# Altium PCB PROC114E3_BRD.PcbDoc (part 8 of 18) (continued)
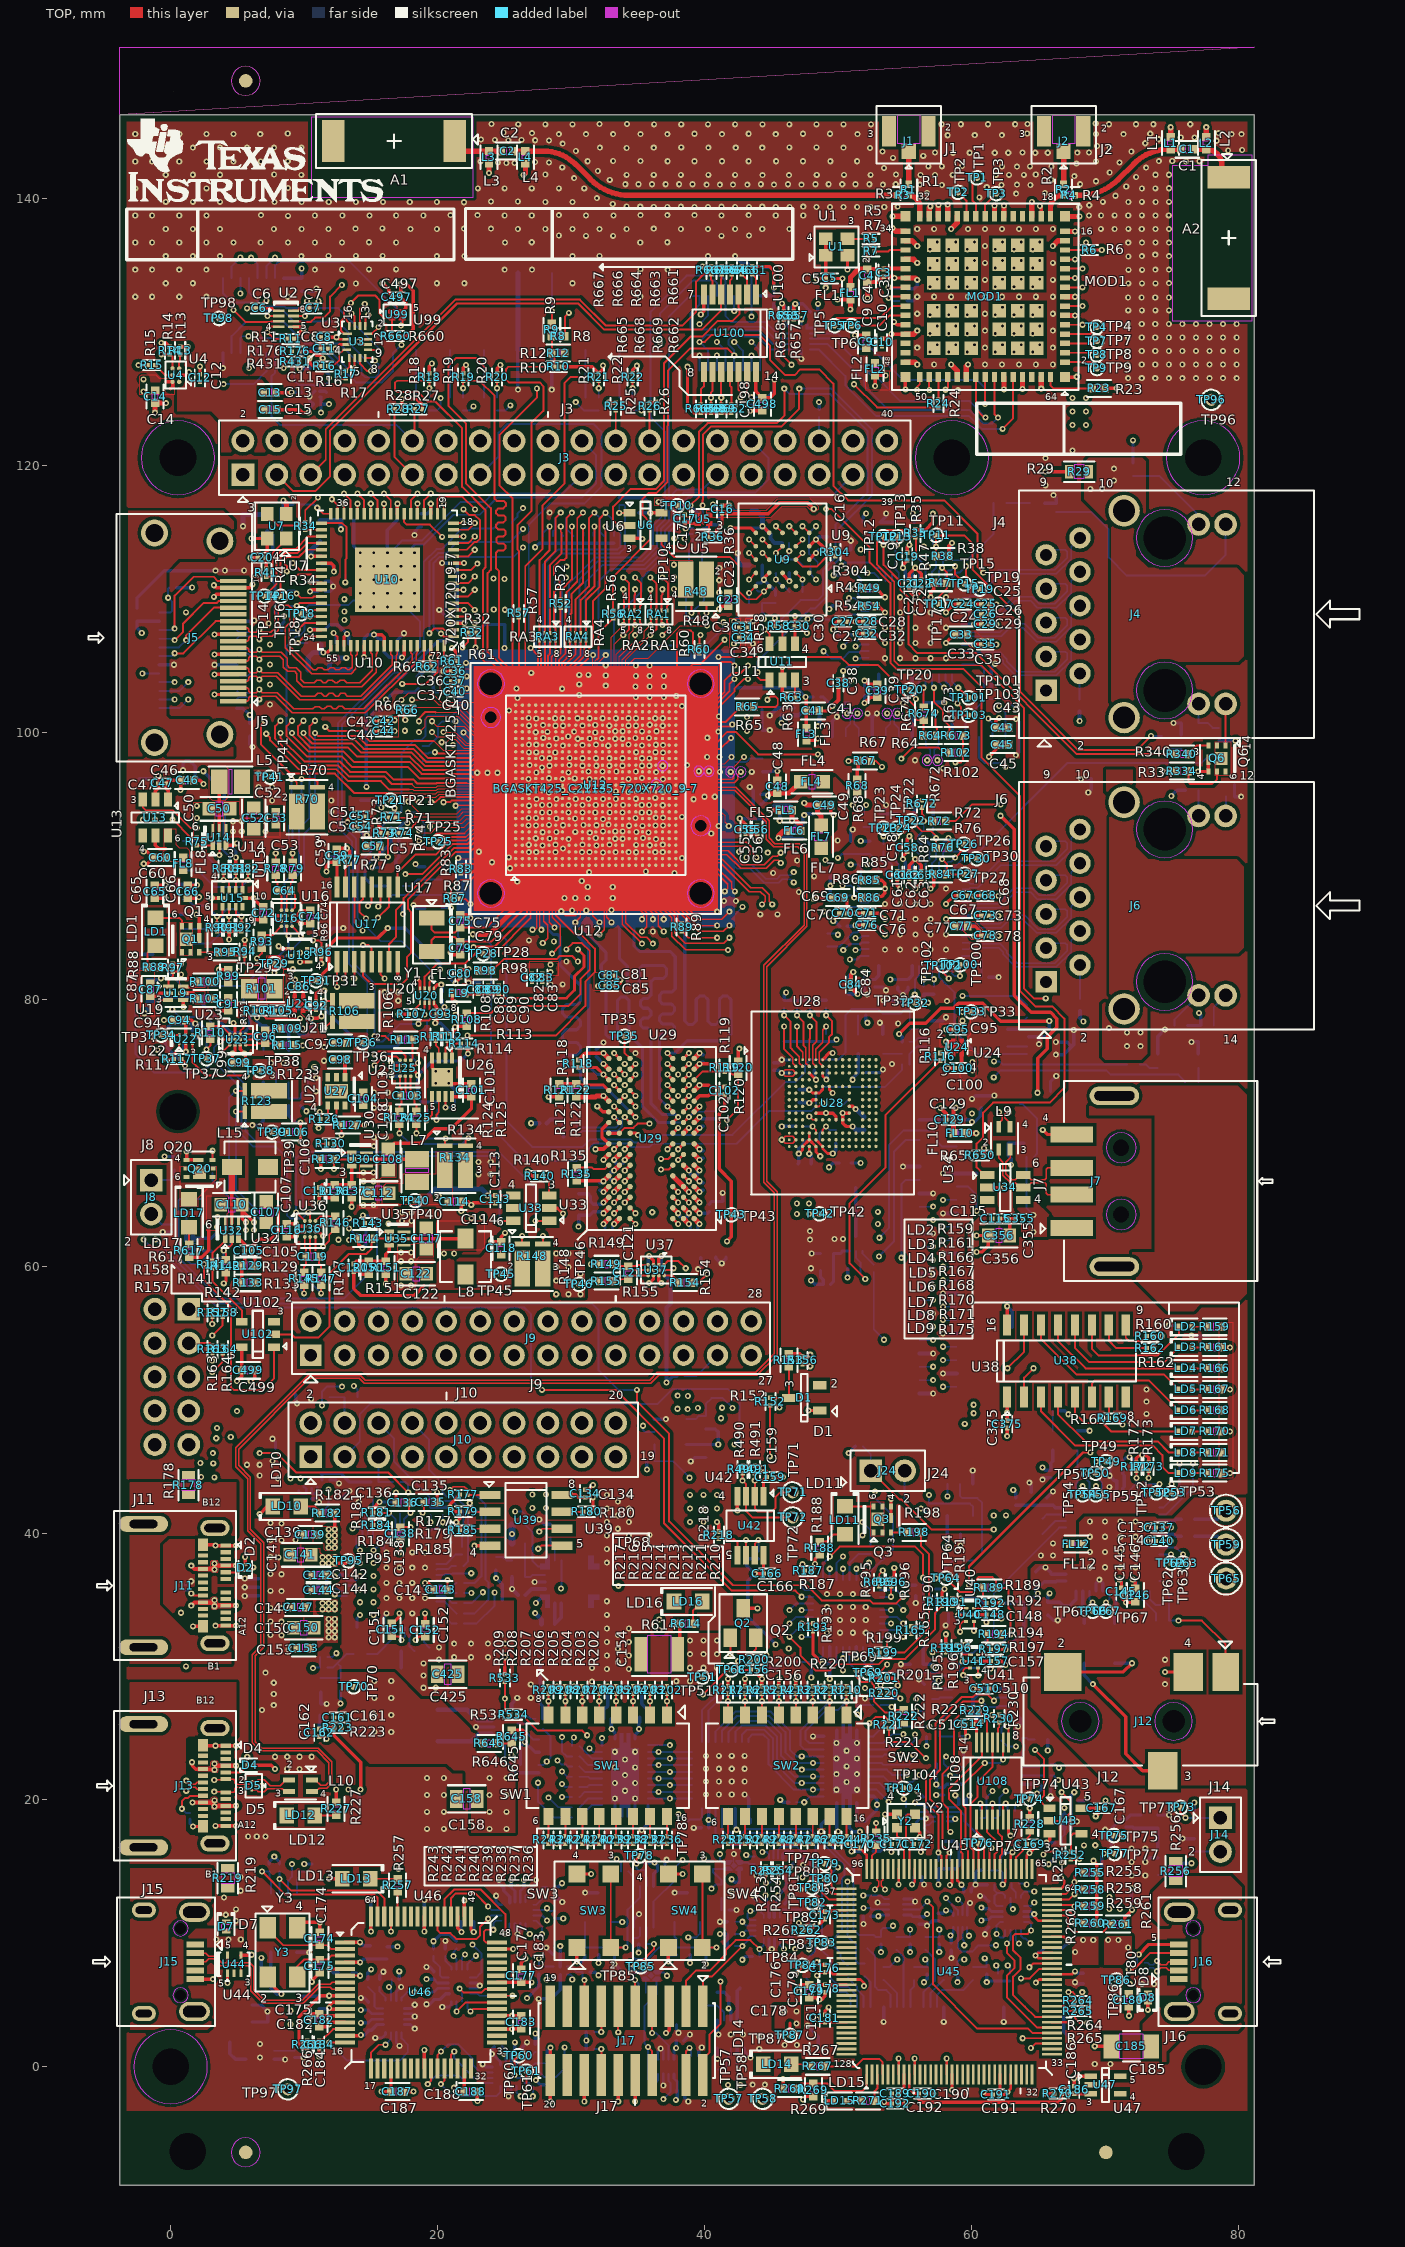
[diagram p0: TOP view]
## Nets (pads, with @x,y where several pads share a name; then routed paths per layer and width w, separated by ;. In a path a pad name is that pad's centre, name@x,y a point inside that pad or via, vN(x,y) a via of type N, cw(c..) or ccw(c..) an arc to the next point about the centre after c; other vN are vias at no path point) (continued)
  TOP w0.147: v1(47.36,37.668) 47.36,37.301 47.502,37.159
  L03_SIG1 w0.091: v1(47.36,37.668) 47.634,37.668 50.309,40.344 52.166,40.344 52.742,40.919 58.75,40.919 65.927,48.096 65.927,73.337 63.674,75.589 63.674,95.165 61.859,96.98 61.859,99.13 62.713,99.984 62.713,112.559 58.17,117.102 55.889,117.102 53.677,119.314
  BOTTOM w0.147: v1(47.36,37.668) 47.36,35.869 47.507,35.722 48.142,35.722
EXP_I2C2_SCL:  | length 42.1
  TOP w0.147: 10.497,119.314 11.622,120.439 11.622,122.725 21.337,132.44 30.675,132.44 32.626,130.49 38.348,130.49 39.325,131.467 39.325,131.489 39.38,131.544 39.38,133.789 39.947,134.357 40.526,134.357 40.506,134.337 40.506,133.925 40.61,133.821 40.61,132.821
EXP_I2C2_SDA:  | length 45.8
  TOP w0.147: 7.957,119.314 9.19,118.081 10.842,118.081 11.927,119.166 11.927,122.613 21.459,132.146 30.553,132.146 32.503,130.195 39.803,130.195 41.26,131.653 41.26,132.821 41.26,133.976 41.288,134.004 41.288,134.357
EXP_PS_3V3_EN:  | length 176.5
  TOP w0.147: v1(59.831,36.078) 59.831,37.492 68.373,46.035 v1(68.924,46.035)
  L08_SIG2 w0.091: v1(17.297,129.047) 33.432,129.047 37.291,132.907 48.977,132.907 50.551,131.333 51.323,131.333 55.7,126.956 60.485,126.956 64.325,123.115 64.325,102.686 64.544,102.467 64.544,75.461 66.867,73.138 66.867,49.947 67.893,48.92 67.893,47.066 v1(68.924,46.035) ; v1(46.376,34.221) 46.829,34.675 48.354,34.675 48.565,34.886 52.936,34.886 53.698,35.648 57.151,35.648 57.847,36.344 59.565,36.344 v1(59.831,36.078)
  BOTTOM w0.147: 10.786,125.971 10.712,126.044 9.799,126.044 9.593,126.044 9.262,126.376 9.262,127.836 9.922,128.496 11.605,128.496 13.35,126.751 13.381,126.751 13.894,126.238 15.831,126.238 16.656,127.063 16.656,128.407 v1(17.297,129.047) ; v1(46.376,34.221) 46.876,34.722 48.142,34.722
EXP_PS_5V0_EN:  | length 155.2
  TOP w0.147: v1(-0.697,128.337) -0.057,128.337 0.14,128.14 0.14,127.278 ; v1(27.827,50.734) 33.339,50.734 36.971,47.102 36.971,40.752 42.036,35.687 46.825,35.687 v1(47.291,35.221)
  L08_SIG2 w0.091: v1(-2.018,61.986) -2.846,62.814 -2.846,79.247 -2.028,80.065 -2.028,89.135 -2.668,89.775 -2.668,94.375 1.128,98.171 4.791,98.171 5.179,98.559 5.179,100.485 4.435,101.229 0.116,101.229 -0.704,102.049 -0.704,108.715 0.37,109.789 1.079,109.789 2.956,111.666 5.777,111.666 6.435,112.324 6.435,115.672 3.775,118.331 3.775,123.339 -0.697,127.811 v1(-0.697,128.337)
  BOTTOM w0.147: v1(-2.018,61.986) -1.143,61.111 -0.696,61.111 3.518,56.897 26.517,56.897 26.989,56.425 26.989,51.572 v1(27.827,50.734) ; v1(47.291,35.221) 48.142,35.221
EXP_SPI0_CLK:  | length 71
  TOP w0.081: 22.468,96.403 24.815,96.403
  TOP w0.114: 24.815,96.403 24.957,96.545 25.861,96.545
  TOP w0.147: v1(9.089,100.874) 8.686,100.47 8.686,99.718 10.204,98.199 12.806,98.199 13.586,97.419 17.765,97.419 18.651,96.533 22.338,96.533 22.468,96.403
  L03_SIG1 w0.091: v1(9.089,100.874) 9.089,105.108 10.932,106.951 10.932,115.121 8.823,117.231 8.823,118.01 9.052,118.239 9.052,122.601 9.848,123.397 31.426,123.397 32.277,122.546 32.277,120.394 33.357,119.314
EXP_SPI0_CS0:  | length 76.5
  TOP w0.081: 18.081,96.118 18.297,95.903 19.915,95.903 19.981,95.969 20.009,95.997 25.812,95.997
  TOP w0.114: 25.812,95.997 25.861,96.045
  TOP w0.147: v1(8.226,100.874) 7.822,100.47 7.822,99.538 9.824,97.536 12.531,97.536 13.359,96.708 15.999,96.708 16.589,96.118 18.081,96.118 ; 33.357,121.854 33.357,124.153
  L03_SIG1 w0.091: v1(8.226,100.874) 8.226,104.731 10.065,106.571 10.065,112.202 10.137,112.274 10.137,114.029 6.898,117.269 6.898,123.434 7.27,123.806 9.65,123.806 10.823,124.979 14.645,124.979 15.953,123.671 31.54,123.671 33.357,121.854
EXP_SPI0_CS1:  | length 80.4
  TOP w0.081: 22.188,96.2 25.041,96.2 ; 25.668,96.294 26.463,96.294 26.712,96.045 26.86,96.045
  TOP w0.114: 25.041,96.2 25.135,96.294 25.668,96.294
  TOP w0.147: v1(8.226,99.959) 8.226,99.617 10.012,97.831 12.654,97.831 13.446,97.038 16.125,97.038 16.686,96.477 18.186,96.477 18.499,96.164 19.9,96.164 19.936,96.2 22.188,96.2 ; 35.897,121.854 35.897,124.153
  L03_SIG1 w0.091: v1(8.226,99.959) 7.812,100.373 7.812,101.119 8.033,101.34 8.033,107.161 9.852,108.98 9.852,112.311 9.941,112.4 9.941,113.871 6.705,117.107 6.705,123.554 7.657,124.506 9.195,124.506 10.246,125.557 14.467,125.557 16.16,123.864 33.887,123.864 35.897,121.854
EXP_SPI0_D0:  | length 64
  TOP w0.081: 17.875,95.738 18.138,95.738 18.202,95.674 19.917,95.674 20.038,95.795 26.11,95.795 26.36,96.045
  TOP w0.147: v1(7.167,99.901) 7.452,99.615 7.452,99.4 9.611,97.241 12.409,97.241 13.306,96.344 15.753,96.344 16.36,95.738 17.875,95.738
  L03_SIG1 w0.091: v1(7.167,99.901) 7.857,99.21 9.926,99.21 10.441,99.724 10.441,105.52 11.612,106.691 11.612,115.404 10.373,116.643 10.373,117.585 11.687,118.9 11.687,119.886 12.266,120.465 27.126,120.465 28.277,119.314
EXP_SPI0_D1:  | length 56.1
  TOP w0.081: 22.696,96.606 24.668,96.606 ; 25.668,96.794 26.111,96.794 26.36,96.545
  TOP w0.114: 24.668,96.606 24.855,96.794 25.668,96.794
  TOP w0.147: v1(9.089,99.959) 9.089,99.835 10.357,98.567 12.959,98.567 13.726,97.8 17.905,97.8 18.804,96.901 22.402,96.901 22.696,96.606
  BOTTOM w0.147: v1(9.089,99.959) 8.686,100.363 8.686,106.483 9.388,107.186 9.603,107.186 10.04,107.622 10.04,109.199 10.394,109.552 13.345,109.552 13.693,109.9 16.408,109.9 16.778,110.27 16.778,113.82 17.338,114.38 18.823,114.38 21.704,117.26 23.495,117.26 24.159,117.924 29.427,117.924 30.817,119.314
EXP_SPI2_CLK:  | length 58
  L08_SIG2 w0.091: v1(5.871,127.301) 5.255,127.917 5.255,130.444 6.415,131.604 7.553,131.604 9.389,129.768 10.262,129.768 10.613,130.119 13.873,130.119 14.602,129.391 15.725,129.391 17.095,128.021 38.657,128.021 40.276,126.402 44.235,126.402 45.618,125.019 47.981,125.019 48.235,125.273 50.258,125.273 53.677,121.854
  BOTTOM w0.147: v1(5.871,127.301) 5.871,128.444
EXP_SPI2_CS0/EHRPWM0_A:  | length 18.6
  TOP w0.147: 18.117,121.854 18.276,122.013 18.276,124.216
  BOTTOM w0.147: 7.821,128.444 7.821,126.971 7.557,126.707 7.557,123.68 8.2,123.037 16.933,123.037 17.098,122.873 18.117,121.854
EXP_SPI2_CS1:  | length 33.1
  TOP w0.081: v1(21.942,100) 22.574,99.367 25.037,99.367 25.464,99.795 26.11,99.795 26.36,99.545
  TOP w0.147: 16.774,124.214 16.774,120.657 18.117,119.314
  L08_SIG2 w0.091: 18.117,119.314 18.117,117.56 16.885,116.328 16.885,108.918 18.178,107.624 18.178,107.255 19.015,106.418 19.88,106.418 21.829,104.469 21.829,101.508 22.191,101.146 22.191,100.25 v1(21.942,100)
EXP_SPI2_CS2:  | length 95.2
  TOP w0.081: 19.706,99.375 20.414,98.667 25.485,98.667 25.613,98.794 26.111,98.794 26.36,98.545
  TOP w0.147: v1(11.584,100.418) 11.904,100.098 14.175,100.098 14.898,99.375 19.706,99.375
  L03_SIG1 w0.091: v1(11.584,100.418) 11.318,100.152 11.318,99.894 10.384,98.959 7.213,98.959 6.764,99.408 6.764,100.253 6.857,100.346 7.446,100.346 7.595,100.495 7.595,101.253 7.84,101.497 7.84,109.741 8.982,110.883 9.402,110.883 9.659,111.14 9.659,112.391 9.733,112.465 9.733,113.773 6.512,116.994 6.512,123.634 7.577,124.699 9.03,124.699 10.081,125.75 14.71,125.75 16.403,124.057 34.373,124.057 35.278,123.153 47.298,123.153 48.597,121.854
  BOTTOM w0.147: 48.597,121.854 48.597,123.645
EXP_SPI2_D0:  | length 60.7
  L08_SIG2 w0.091: v1(5.221,132.902) 6.215,131.908 7.831,131.908 9.125,130.614 13.816,130.614 14.627,129.804 15.712,129.804 17.221,128.295 38.771,128.295 40.39,126.676 44.367,126.676 45.669,125.374 47.828,125.374 48.031,125.578 50.621,125.578 53.285,122.913 54.146,122.913 54.829,122.229 54.829,121.269 54.281,120.72 52.271,120.72 51.137,121.854
  BOTTOM w0.147: v1(5.221,132.902) 5.221,134.044
EXP_SPI2_D1/ECAP2_IN_APWM_OUT:  | length 65.7
  L08_SIG2 w0.091: v1(7.821,135.587) 7.418,135.183 7.418,132.662 9.256,130.824 15.84,130.824 16.866,129.798 16.866,128.946 17.309,128.503 38.852,128.503 40.486,126.869 46.918,126.869 47.904,125.882 50.656,125.882 53.367,123.171 54.175,123.171 55.104,122.242 55.104,121.219 54.293,120.408 49.691,120.408 48.597,119.314
  BOTTOM w0.147: 7.171,134.044 7.171,134.937 v1(7.821,135.587)
EXP_UART5_RXD:  | length 34.8
  TOP w0.102: v1(26.817,96.502) 26.817,96.507 26.86,96.55 26.86,97.045
  L08_SIG2 w0.091: 15.577,121.854 14.119,120.396 14.119,118.807 13.619,118.307 13.619,116.425 15.869,114.176 15.869,108.257 17.269,106.857 18.029,106.857 18.867,106.019 19.747,106.019 21.463,104.303 21.463,101.322 21.734,101.052 21.734,100.631 21.393,100.29 21.393,99.631 22.721,98.303 24.453,98.303 26.254,96.502 v1(26.817,96.502)
EXP_UART5_TXD:  | length 36.7
  TOP w0.102: v1(27.83,97.379) 27.86,97.348 27.86,97.045
  L08_SIG2 w0.091: 13.037,121.854 11.978,120.795 11.978,118.875 12.579,118.274 12.579,116.701 14.853,114.427 14.853,108.263 16.657,106.459 17.792,106.459 20.378,103.872 20.831,103.872 20.999,103.704 20.999,100.678 21.208,100.469 21.208,99.547 22.722,98.034 24.419,98.034 26.306,96.146 26.979,96.146 27.378,96.545 27.55,96.545 27.83,96.825 v1(27.83,97.379)
EXT_CLKOUT0:  | length 68.1
  BOTTOM w0.147: 18.876,97.873 20.818,97.873 22.159,96.531 22.159,88.906 21.528,88.275 21.528,84.719 21.833,84.414 23.687,84.414 23.992,84.11 23.992,70.444 26.557,67.879 30.392,67.879 31.698,69.185 34.268,69.185 34.507,68.946 35.904,68.946 36.133,69.174 42.407,69.174 44.877,71.645 48.043,71.645 48.362,71.963 48.362,72.818 48.985,73.442 53.548,73.442 54.822,74.716 54.822,75.097
EXT_CLKOUT0_R:  | length 7.1
  TOP w0.081: 22.427,98.471 25.786,98.471 25.861,98.545
  TOP w0.147: v1(19.796,98.511) 19.976,98.511 20.055,98.432 22.389,98.432 22.427,98.471
  BOTTOM w0.147: 18.876,98.432 19.313,98.432 19.392,98.511 v1(19.796,98.511)
FT4232_DO:  | length 2.7
  BOTTOM w0.147: 9.454,12.973 9.454,14.022 9.653,14.221 9.646,14.229 9.646,14.637 10.561,14.637
FT4232_EECLK:  | length 11.5
  TOP w0.147: v1(8.154,14.077) 9.016,13.215 15.409,13.215 16.009,12.615 16.009,11.273
  BOTTOM w0.147: 8.154,12.973 v1(8.154,14.077) 8.154,14.637
FT4232_EECS:  | length 13.1
  TOP w0.147: v1(6.846,14.637) 8.585,12.898 15.269,12.898 15.509,12.658 15.509,11.273
  BOTTOM w0.147: v1(6.846,14.637) 7.392,14.637 7.392,14.092 7.504,13.98 7.504,12.973
FT4232_EEDATA:  | length 15.5
  TOP w0.147: v1(16.509,10.142) 16.509,11.273
  L08_SIG2 w0.091: v1(9.086,15.183) 9.476,15.573 14.753,15.573 16.6,13.726 16.6,10.233 v1(16.509,10.142)
  BOTTOM w0.147: 8.804,12.973 8.804,13.944 9.086,14.226 9.086,14.637 v1(9.086,15.183)
FT4232_MCU_UART0_CTS_3V3:  | length 9.3
  TOP w0.147: 20.509,11.273 20.509,12.54 21.253,13.284 23.24,13.284 25.084,11.44 v1(25.084,9.954)
  BOTTOM w0.147: v1(25.084,9.954) 25.398,10.268 25.398,10.741
FT4232_MCU_UART0_RTS_3V3:  | length 7.2
  TOP w0.147: 20.009,11.273 20.009,10.216 20.207,10.018 20.969,10.018 21.401,9.586 22.925,9.586 23.171,9.832 23.171,10.473 v1(23.793,11.095)
  BOTTOM w0.147: v1(23.793,11.095) 24.039,11.341 24.798,11.341
FT4232_MCU_UART0_RX_3V3:  | length 3.7
  TOP w0.147: v1(24.183,10.268) 23.607,10.268 23.466,10.127 23.466,9.47 23.613,9.323 24.459,9.323
  BOTTOM w0.147: v1(24.183,10.268) 24.183,10.768 24.356,10.941 24.798,10.941
FT4232_MCU_UART0_TX_3V3:  | length 5.8
  TOP w0.147: 21.009,11.273 21.009,12.623 21.375,12.99 22.814,12.99 v1(23.793,12.01)
  BOTTOM w0.147: v1(23.793,12.01) 24.062,11.741 24.798,11.741
FT4232_REF:  | length 1.9
  TOP w0.147: 13.059,6.823 v1(14.198,6.823)
  BOTTOM w0.147: 13.537,7.052 13.969,7.052 v1(14.198,6.823)
FT4232_RESET:  | length 3.2
  TOP w0.147: 10.25,1.941 11.139,1.941 11.292,1.941 12.174,2.823 13.059,2.823
FT4232_SOC_UART0_RX_3V3:  | length 9.6
  TOP w0.147: v1(11.878,1.823) 13.059,1.823
  BOTTOM w0.147: v1(11.878,1.823) 13.233,0.467 17.159,0.467 17.769,1.077 17.769,1.661 17.302,2.128 17.302,2.57
FT4232_SOC_UART0_TX_3V3:  | length 3.6
  TOP w0.147: 15.009,-0.127 15.009,1.061 15.597,1.648 v1(16.105,1.648)
  BOTTOM w0.147: v1(16.105,1.648) 16.502,2.046 16.502,2.57
FT4232_SOC_UART1_CTS_3V3:  | length 6.7
  TOP w0.147: v1(20.251,-1.301) 20.509,-1.043 20.509,-0.127
  BOTTOM w0.147: v1(20.251,-1.301) 21.127,-2.177 24.434,-2.177 24.712,-1.898 24.712,-1.425
FT4232_SOC_UART1_RTS_3V3:  | length 5.3
  TOP w0.147: 21.009,-0.127 21.009,0.903 v1(21.251,1.145)
  BOTTOM w0.147: v1(21.251,1.145) 21.251,0.655 22.731,-0.825 24.112,-0.825
FT4232_SOC_UART1_RX_3V3:  | length 6.6
  TOP w0.147: v1(19.267,-1.301) 19.509,-1.059 19.509,-0.127
  BOTTOM w0.147: v1(19.267,-1.301) 19.918,-0.65 21.597,-0.65 22.172,-1.225 24.112,-1.225
FT4232_SOC_UART1_TX_3V3:  | length 6.6
  TOP w0.147: 20.009,-0.127 20.009,0.887 v1(20.267,1.145)
  BOTTOM w0.147: v1(20.267,1.145) 20.796,1.674 21.553,1.674 22.671,0.556 22.671,0.112 23.208,-0.425 24.112,-0.425
FT4232_USB_DM:  | length 14.8
  TOP w0.107: 1.84,8.514 2.624,8.514 2.84,8.298 3.308,8.298 3.816,7.79 4.152,7.79 4.258,7.897 ; 4.258,8.371 4.258,7.897 ; 13.059,6.323 12.11,6.323 11.969,6.182 11.05,6.182 9.856,4.989 7.024,4.989 6.237,5.776 6.237,7.478 5.924,7.79 4.365,7.79 4.258,7.897
FT4232_USB_DP:  | length 14.8
  TOP w0.107: 1.84,7.864 2.625,7.864 2.84,8.08 3.217,8.08 3.725,7.572 5.151,7.572 5.258,7.465 ; 5.258,6.991 5.258,7.465 ; 13.059,5.823 12.11,5.823 11.969,5.963 11.14,5.963 9.947,4.77 6.934,4.77 6.019,5.685 6.019,7.387 5.833,7.572 5.365,7.572 5.258,7.465
FT4232_USB_VBUS:  | length 3
  TOP w0.254: v1(4.258,6.28) 4.258,6.991
  BOTTOM w0.254: 4.434,1.839 4.434,0.975 4.86,0.549 5.648,0.549
  other v1: 3.423,9.53 4.338,9.53 5.252,9.53
FT4232_WKUP_UART0_CTS_3V3:  | length 4.4
  TOP w0.147: 24.459,5.323 v1(25.617,5.323)
  BOTTOM w0.147: 22.43,5.481 22.991,5.481 23.149,5.323 v1(25.617,5.323)
FT4232_WKUP_UART0_RTS_3V3:  | length 4.1
  TOP w0.147: v1(21.655,5.852) 21.934,5.573 23.306,5.573 23.556,5.823 24.459,5.823
  BOTTOM w0.147: v1(21.655,5.852) 21.83,5.677 21.83,4.881
FT4232_WKUP_UART0_RX_3V3:  | length 2.9
  TOP w0.147: v1(22.468,4.15) 22.64,4.323 24.459,4.323
  BOTTOM w0.147: 22.23,4.881 22.23,4.388 v1(22.468,4.15)
FT4232_WKUP_UART0_TX_3V3:  | length 4
  TOP w0.147: v1(21.431,4.146) 22.108,4.823 24.459,4.823
  BOTTOM w0.147: 21.43,4.881 v1(21.431,4.146) v1(21.431,4.146)
FT_PWREN#:  | length 1.8
  TOP w0.147: 17.009,11.273 17.009,13.109
GPIO1_23_INTN:  | length 131.2
  TOP w0.081: v1(22.976,96.977) 23.386,97.387 25.065,97.387 25.157,97.295 26.11,97.295 26.36,97.045
  L03_SIG1 w0.091: v1(33.428,15.568) 33.694,15.834 36.312,15.834 37.059,15.088 38.582,15.088 39.624,16.129 39.624,26.994 40.362,27.732 40.362,28.22 v1(42.532,30.39) 41.732,30.39 41.478,30.644 41.478,31.191 41.25,31.42 40.691,31.42 40.437,31.674 40.437,32.588 36.588,36.437 36.588,49.498 37.383,50.292 v1(37.999,50.292)
  L08_SIG2 w0.091: v1(22.976,96.977) 22.276,96.277 22.276,87.96 21.94,87.625 21.94,77.668 21.694,77.422 21.694,75.971 22.363,75.302 22.363,70.411 21.921,69.969 21.921,67.69 22.188,67.424 24.341,67.424 26.144,65.62 29.876,65.62 31.983,63.513 31.983,63.09 34.936,60.137 36.699,60.137 38.086,58.75 44.488,58.75 46.103,57.135 46.103,51.843 44.425,50.165 42.027,50.165 41.732,49.87 41.732,49.2 41.533,49.001 40.833,49.001 40.675,48.843 37.847,48.843 37.559,49.13 37.559,49.853 v1(37.999,50.292)
  BOTTOM w0.147: v1(33.428,15.568) 33.742,15.253 33.742,14.639 ; v1(42.532,30.39) 42.936,30.39 43.428,29.898 45.522,29.898 45.964,30.339
GPIO_AUD_RSTN:  | length 14
  TOP w0.147: v1(49.392,38.237) 50.129,38.974 55.792,38.974 56.397,38.369 v1(56.397,36.647)
  BOTTOM w0.147: 48.891,36.471 48.891,37.737 v1(49.392,38.237) ; 56.397,33.939 56.397,35.316 56.397,36.078 v1(56.397,36.647)
GPIO_CPSW1_RST:  | length 19.4
  TOP w0.147: v1(46.376,32.221) 47.191,31.407 47.191,30.842 48.32,29.713 49.424,29.713 49.877,30.166 53.062,30.166 53.467,30.571 55.066,30.571 57.298,32.803 57.298,34.023 57.809,34.535 57.809,34.547 58.571,34.547 58.874,34.547 59.059,34.362 59.617,34.362
  BOTTOM w0.147: v1(46.376,32.221) 46.876,32.722 48.142,32.722
GPIO_CPSW2_RST:  | length 15.6
  TOP w0.147: v1(57.107,31.068) 58.138,31.068 58.9,31.068 59.203,31.068 59.388,30.882 59.946,30.882
  L08_SIG2 w0.091: v1(47.291,32.221) 48.135,33.066 52.628,33.066 53.187,33.625 55.27,33.625 55.509,33.386 55.509,32.665 v1(57.107,31.068)
  BOTTOM w0.147: v1(47.291,32.221) 48.142,32.221
GPIO_EMMC_RSTN:  | length 18.6
  L08_SIG2 w0.091: v1(38.887,44.145) 39.289,43.743 41.829,43.743 47.133,38.44 48.274,38.44 v1(49.392,37.322)
  BOTTOM w0.147: 36.251,46.637 36.251,45.38 37.652,45.38 v1(38.887,44.145) ; 49.392,36.471 v1(49.392,37.322)
GPIO_HDMI_RSTN:  | length 83.7
  L03_SIG1 w0.091: v1(20.484,60.945) 21.078,60.35 23.19,60.35 26.772,56.769 26.772,52.578 28.133,51.217 33.085,51.217 36.158,48.143 36.158,44.028 35.135,43.005 35.135,35.807 36.615,34.327 v1(36.615,33.513)
  L08_SIG2 w0.091: v1(10.758,74.94) 12.257,74.94 13.578,73.619 13.578,69.555 19.47,63.663 19.47,61.958 v1(20.484,60.945) ; v1(36.615,33.513) 37.86,34.757 44.413,34.757 45.585,35.929 51.067,35.929 52.07,36.932 52.07,37.389 51.841,37.617 v1(51.841,39.827)
  BOTTOM w0.147: 8.846,73.777 8.846,72.577 9.76,72.577 9.76,72.901 10.301,73.442 10.301,74.483 v1(10.758,74.94) ; 51.567,38.995 51.567,39.553 v1(51.841,39.827)
GPIO_OLDI_RSTN:  | length 52.1
  L03_SIG1 w0.091: v1(51.841,40.818) 52.768,41.745 54.953,41.745 55.524,42.316 57.781,42.316 v1(58.213,42.748)
  L08_SIG2 w0.091: v1(24.281,35.545) 26.049,37.313 27.635,37.313 28.57,38.247 33.802,38.247 35.262,39.707 35.262,43.211 39.072,47.021 47.606,47.021 51.841,42.787 v1(51.841,40.818)
  BOTTOM w0.147: 21.973,33.223 22.939,33.223 24.281,34.565 24.281,35.007 v1(24.281,35.545) ; v1(51.841,40.818) 52.456,40.203 52.456,38.995 ; v1(58.213,42.748) 58.213,43.693
GPIO_OSPI_RSTN:  | length 24.1
  TOP w0.102: v1(28.846,100.502) 28.86,100.487 28.86,100.045
  TOP w0.147: v1(33.62,116.459) 34.394,116.459
  BOTTOM w0.147: v1(28.846,100.502) 28.442,100.502 28.321,100.623 28.321,112.473 29.265,113.417 33.624,113.417 34.063,113.856 34.063,116.936 33.958,117.04 33.618,117.04 33.62,117.039 v1(33.62,116.459)
GPIO_SOC:  | length 1.3
  BOTTOM w0.147: 34.302,14.639 34.683,14.258 34.683,13.541
HDMI_AUDD1:  | length 6.4
  TOP w0.147: 8.244,110.195 8.244,113.137 8.548,113.441 9.48,113.441 10.228,114.19 11.295,114.19
HDMI_AUDD2:  | length 7.4
  TOP w0.147: 7.034,110.217 7.925,111.108 7.925,113.244 8.416,113.736 9.357,113.736 10.312,114.69 10.7,114.69 11.295,114.69
HDMI_AUDD3:  | length 6.8
  TOP w0.147: 11.295,115.69 12.858,115.69 13.187,115.361 13.187,113.056 13.086,112.955 v1(13.086,111.251)
  BOTTOM w0.147: v1(13.086,111.251) 13.086,111.855
HDMI_CEC:  | length 26.9
  TOP w0.147: v1(17.357,103.638) 19.136,103.638 19.995,104.497 19.995,106.49
  L08_SIG2 w0.091: v1(1.316,102.471) 1.568,102.22 5.605,102.22 6.168,101.656 7.648,101.656 8.911,102.919 16.591,102.919 16.683,102.827 16.683,102.476 17.092,102.067 17.59,102.067 17.681,102.159 17.681,103.314 v1(17.357,103.638)
  BOTTOM w0.147: -0.855,101.821 0.666,101.821 v1(1.316,102.471)
HDMI_CEC_D:  | length 1.6
  TOP w0.147: 9.768,108.9 10.058,109.19 11.295,109.19
HDMI_CLK+:  | length 19.1
  TOP w0.108: 4.69,106.847 5.742,106.847 5.85,106.955 5.85,107.094 5.958,107.202 6.421,107.202 v1(6.645,106.978) 6.868,107.202 7.627,107.202 8.076,107.651 8.076,109.11 8.21,109.244 8.709,109.244 8.919,109.034 8.919,108.204 8.599,107.884 8.599,106.36 10.565,104.394 13.517,104.394 13.889,104.767 13.889,105.763 13.995,105.868 13.995,106.49
  BOTTOM w0.108: 4.944,107.022 5.124,107.202 6.421,107.202 v1(6.645,106.978)
HDMI_CLK-:  | length 19.1
  TOP w0.108: 4.69,107.847 5.742,107.847 5.85,107.739 5.85,107.599 5.958,107.491 6.421,107.491 v1(6.645,107.715) 6.868,107.491 7.507,107.491 7.786,107.771 7.786,109.23 8.09,109.534 8.829,109.534 9.209,109.154 9.209,108.084 8.889,107.764 8.889,106.48 10.685,104.684 10.9,104.684 11.078,104.861 11.336,104.861 11.514,104.684 11.772,104.684 11.949,104.861 12.207,104.861 12.385,104.684 12.643,104.684 12.821,104.861 13.078,104.861 13.256,104.684 13.396,104.684 13.6,104.887 13.6,105.763 13.495,105.868 13.495,106.49
  BOTTOM w0.108: 4.944,107.672 5.125,107.491 6.421,107.491 v1(6.645,107.715)
HDMI_CONN_I2CSCL:  | length 7
  TOP w0.147: v1(1.164,106.915) 1.164,107.281 3.229,109.346 4.69,109.346
  BOTTOM w0.147: -0.855,106.372 0.621,106.372 v1(1.164,106.915)
HDMI_CONN_I2CSDA:  | length 7.2
  TOP w0.147: v1(0.3,106.915) 0.928,107.543 0.928,108.163 2.478,109.713 3.468,109.713 3.602,109.847 4.69,109.847
  BOTTOM w0.147: -0.855,107.022 0.194,107.022 v1(0.3,106.915)
HDMI_CONNCEC:  | length 6.6
  TOP w0.147: v1(0.3,105.933) 0.958,105.933 3.372,108.346 4.69,108.346
  BOTTOM w0.147: -0.855,105.722 0.089,105.722 v1(0.3,105.933)
HDMI_EARTH: 
HDMI_EXTSWING:  | length 1.9
  TOP w0.147: v1(12.218,107.452) 12.495,107.176 12.495,106.49
  BOTTOM w0.147: v1(12.218,107.452) 12.367,107.303 12.367,106.651
HDMI_HPD:  | length 18.5
  TOP w0.147: v1(9.529,106.69) 10.029,107.19 11.295,107.19
  L08_SIG2 w0.091: v1(0.3,103.771) -0.076,103.396 -0.076,102.316 0.144,102.096 0.456,102.096 0.747,102.387 0.747,102.707 1.149,103.109 2.575,103.109 3.057,103.591 6.832,103.591 7.202,103.221 7.638,103.221 9.529,105.112 v1(9.529,106.69)
  BOTTOM w0.147: -0.855,103.771 v1(0.3,103.771) ; v1(9.529,106.69) 10.243,106.69
HDMI_I2C_SCL:  | length 17
  TOP w0.147: v1(9.446,109.484) 9.652,109.69 11.295,109.69
  L08_SIG2 w0.091: v1(0.3,102.471) 0.3,102.847 0.79,103.337 2.514,103.337 3.106,103.929 4.748,103.929 5.921,105.102 6.801,105.102 9.153,107.455 9.153,108.815 9.446,109.108 v1(9.446,109.484)
  BOTTOM w0.147: -0.855,102.471 v1(0.3,102.471) ; 8.802,109.484 v1(9.446,109.484)
HDMI_I2C_SDA:  | length 18.3
  TOP w0.147: v1(9.427,110.413) 9.746,110.094 10.631,110.094 10.728,110.19 11.295,110.19
  L08_SIG2 w0.091: v1(1.316,103.771) 1.316,105.252 2.667,106.602 6.801,106.602 7.215,107.017 8.317,107.017 8.937,107.636 8.937,109.923 v1(9.427,110.413)
  BOTTOM w0.147: -0.855,103.121 0.666,103.121 v1(1.316,103.771) ; 8.802,110.627 9.28,110.627 9.427,110.48 v1(9.427,110.413)
HDMI_INTN:  | length 143
  TOP w0.147: v1(9.529,107.69) 10.029,108.19 11.295,108.19 ; v1(34.939,50.734) 34.939,49.87 37.352,47.457 37.352,40.879 42.145,36.086 47.657,36.086 48.792,34.95 52.399,34.95 52.617,34.732 54.395,34.732 54.885,35.221 v1(54.907,35.221)
  L08_SIG2 w0.091: v1(-1.154,61.986) -2.653,63.485 -2.653,79.167 -1.835,79.985 -1.835,89.345 1.413,92.593 1.413,96.581 2.416,97.585 5.024,97.585 5.758,98.319 5.758,100.743 4.639,101.863 1.255,101.863 0.94,102.178 0.94,102.627 1.16,102.847 1.77,102.847 2.204,102.413 5.685,102.413 6.135,101.962 6.672,101.962 10.061,105.351 10.061,107.158 v1(9.529,107.69)
  BOTTOM w0.147: v1(-1.154,61.986) 3.641,57.191 31.582,57.191 32.08,56.693 32.08,52.196 33.542,50.734 v1(34.939,50.734) ; 8.879,107.63 9.469,107.63 v1(9.529,107.69) ; 53.141,35.722 54.407,35.722 v1(54.907,35.221)
HDMI_MSTRCLK:  | length 1.2
  TOP w0.147: 10.087,115.19 11.295,115.19
HDMI_PCLK:  | length 29.5
  TOP w0.147: 18.995,116.39 18.995,117.407 v1(19.494,117.907) ; 39.628,106.486 39.628,107.22 v1(39.708,107.3)
  L03_SIG1 w0.091: v1(19.494,117.907) 20.846,117.907 21.085,117.667 25.353,117.667 25.921,117.099 25.921,113.572 29.527,109.965 37.464,109.965 39.708,107.721 v1(39.708,107.3)
HDMI_RSTN:  | length 59.6
  TOP w0.147: v1(10.444,108.69) 11.295,108.69
  L03_SIG1 w0.091: v1(0.116,79.233) 0.116,81.493 -0.766,82.374 -0.766,91.564 0.939,93.268 0.939,94.849 1.564,95.475 4.027,95.475 6.51,97.958 6.51,101.44 5.218,102.732 5.218,106.669 2.885,109.002 v1(1.143,109.002)
  L08_SIG2 w0.091: v1(1.143,109.002) 6.126,109.002 8.059,110.935 9.619,110.935 10.048,110.505 10.048,109.086 v1(10.444,108.69)
  BOTTOM w0.147: v1(0.116,79.233) 0.687,78.661 2.684,78.661 4.218,77.127 5.859,77.127 6.188,77.456 6.771,77.456 6.771,76.947 6.946,76.772 6.946,76.177
HDMI_TX0+:  | length 17.1
  TOP w0.108: 4.69,105.346 5.742,105.346 5.85,105.454 5.85,105.594 5.958,105.702 6.421,105.702 v1(6.645,105.478) 6.868,105.702 8.162,105.702 8.431,105.433 8.431,105.253 8.431,104.904 8.765,104.57 9.294,104.57 9.457,104.406 9.457,104.226 9.457,103.877 9.895,103.439 14.305,103.439 15.389,104.524 15.389,105.864 15.495,105.969 15.495,106.49
  BOTTOM w0.108: 4.944,105.722 5.124,105.902 5.828,105.902 6.028,105.702 6.421,105.702 v1(6.645,105.478)
HDMI_TX0-:  | length 17.1
  TOP w0.108: 4.69,106.346 5.742,106.346 5.85,106.239 5.85,106.099 5.958,105.991 6.421,105.991 v1(6.645,106.215) 6.868,105.991 8.282,105.991 8.721,105.553 8.72,105.253 8.72,105.024 8.885,104.859 9.414,104.859 9.747,104.526 9.747,104.226 9.747,103.997 10.015,103.729 10.756,103.729 10.95,103.923 11.252,103.923 11.446,103.729 11.627,103.729 11.821,103.923 12.123,103.923 12.317,103.729 12.498,103.729 12.692,103.923 12.994,103.923 13.189,103.729 14.185,103.729 15.1,104.644 15.1,105.864 14.995,105.969 14.995,106.49
  BOTTOM w0.108: 4.944,106.372 5.125,106.191 5.948,106.191 6.149,105.991 6.421,105.991 v1(6.645,106.215)
HDMI_TX1+:  | length 17.9
  TOP w0.108: 4.69,103.847 5.742,103.847 5.85,103.955 5.85,104.094 5.958,104.202 6.408,104.202 6.632,103.978 v1(6.645,103.978) 6.657,103.978 6.881,104.202 7.91,104.202 9.673,102.438 14.38,102.438 16.889,104.947 16.889,105.763 16.995,105.868 16.995,106.49
  BOTTOM w0.108: 4.944,103.771 5.124,103.952 5.915,103.952 6.165,104.202 6.421,104.202 v1(6.645,103.978)
HDMI_TX1-:  | length 18
  TOP w0.108: 4.69,104.847 5.742,104.847 5.85,104.739 5.85,104.599 5.958,104.491 6.421,104.491 v1(6.645,104.715) 6.868,104.491 8.03,104.491 9.793,102.728 10.804,102.728 11.008,102.931 11.291,102.931 11.494,102.728 11.676,102.728 11.879,102.931 12.162,102.931 12.365,102.728 12.547,102.728 12.75,102.931 13.033,102.931 13.236,102.728 14.26,102.728 16.6,105.067 16.6,105.763 16.495,105.868 16.495,106.49
  BOTTOM w0.108: 4.944,104.421 5.125,104.241 5.795,104.241 6.045,104.491 6.421,104.491 v1(6.645,104.715)
HDMI_TX2+:  | length 19.4
  TOP w0.108: 4.69,102.347 5.742,102.347 5.85,102.454 5.85,102.594 5.958,102.702 6.421,102.702 v1(6.645,102.478) 6.868,102.702 7.885,102.702 9.114,101.473 14.6,101.473 18.389,105.263 18.389,105.864 18.495,105.969 18.495,106.49
  BOTTOM w0.108: 4.944,102.471 5.108,102.636 5.775,102.636 5.791,102.652 6.088,102.652 6.138,102.702 6.421,102.702 v1(6.645,102.478)
HDMI_TX2-:  | length 19.4
  TOP w0.108: 4.69,103.347 5.742,103.347 5.85,103.239 5.85,103.099 5.958,102.991 6.421,102.991 v1(6.645,103.215) 6.868,102.991 8.006,102.991 9.234,101.763 10.654,101.763 10.832,101.94 11.14,101.94 11.318,101.763 11.525,101.763 11.728,101.966 11.986,101.966 12.189,101.763 12.396,101.763 12.6,101.966 12.857,101.966 13.061,101.763 14.48,101.763 18.1,105.383 18.1,105.864 17.995,105.969 17.995,106.49
  BOTTOM w0.108: 4.944,103.121 5.108,102.957 5.775,102.957 5.791,102.941 5.968,102.941 6.018,102.991 6.421,102.991 v1(6.645,103.215)
HDMICONN_HPD:  | length 8.8
  TOP w0.147: v1(0.3,107.778) 0.3,110.253 1.716,111.669 3.214,111.669 3.536,111.346 4.69,111.346
  BOTTOM w0.147: -0.855,107.672 0.194,107.672 v1(0.3,107.778)
HFOSC0_CLKOUT_32K:  | length 62.1
  TOP w0.081: 16.205,95.476 18.077,95.476 18.164,95.389 19.879,95.389 20.035,95.545 25.861,95.545
  TOP w0.147: v1(4.712,131.653) 5.599,130.766 7.494,130.766 7.541,130.813 8.103,130.813 ; v1(7.048,100.865) 6.763,100.58 6.763,99.128 8.981,96.91 12.309,96.91 13.758,95.461 16.189,95.461 16.205,95.476
  L03_SIG1 w0.091: v1(4.712,131.653) 4.712,131.373 6.517,129.568 6.517,126.298 3.75,123.531 3.75,118.662 3.863,118.549 7.453,114.959 7.453,110.704 5.455,108.706 5.455,102.835 7.048,101.241 v1(7.048,100.865)
HPLOUT:  | length 6.8
  TOP w0.254: 66.866,29.587 71.399,29.587 v1(72.048,30.237)
  BOTTOM w0.254: 70.744,30.237 v1(72.048,30.237)
HPLOUT_C:  | length 2.5
  BOTTOM w0.254: 70.744,33.237 70.744,34.046 70.851,34.153 70.851,35.651
HPROUT:  | length 11.4
  TOP w0.254: v1(69.115,28.674) 71.566,26.223 71.566,23.454 72.833,22.187 74.366,22.187
  BOTTOM w0.254: 68.458,30.237 68.458,29.331 v1(69.115,28.674)
HPROUT_C:  | length 2.5
  BOTTOM w0.254: 68.351,35.651 68.351,34.249 68.458,34.142 68.458,33.237